# KiCad board PC104+Proto.kicad_pcb (continued)
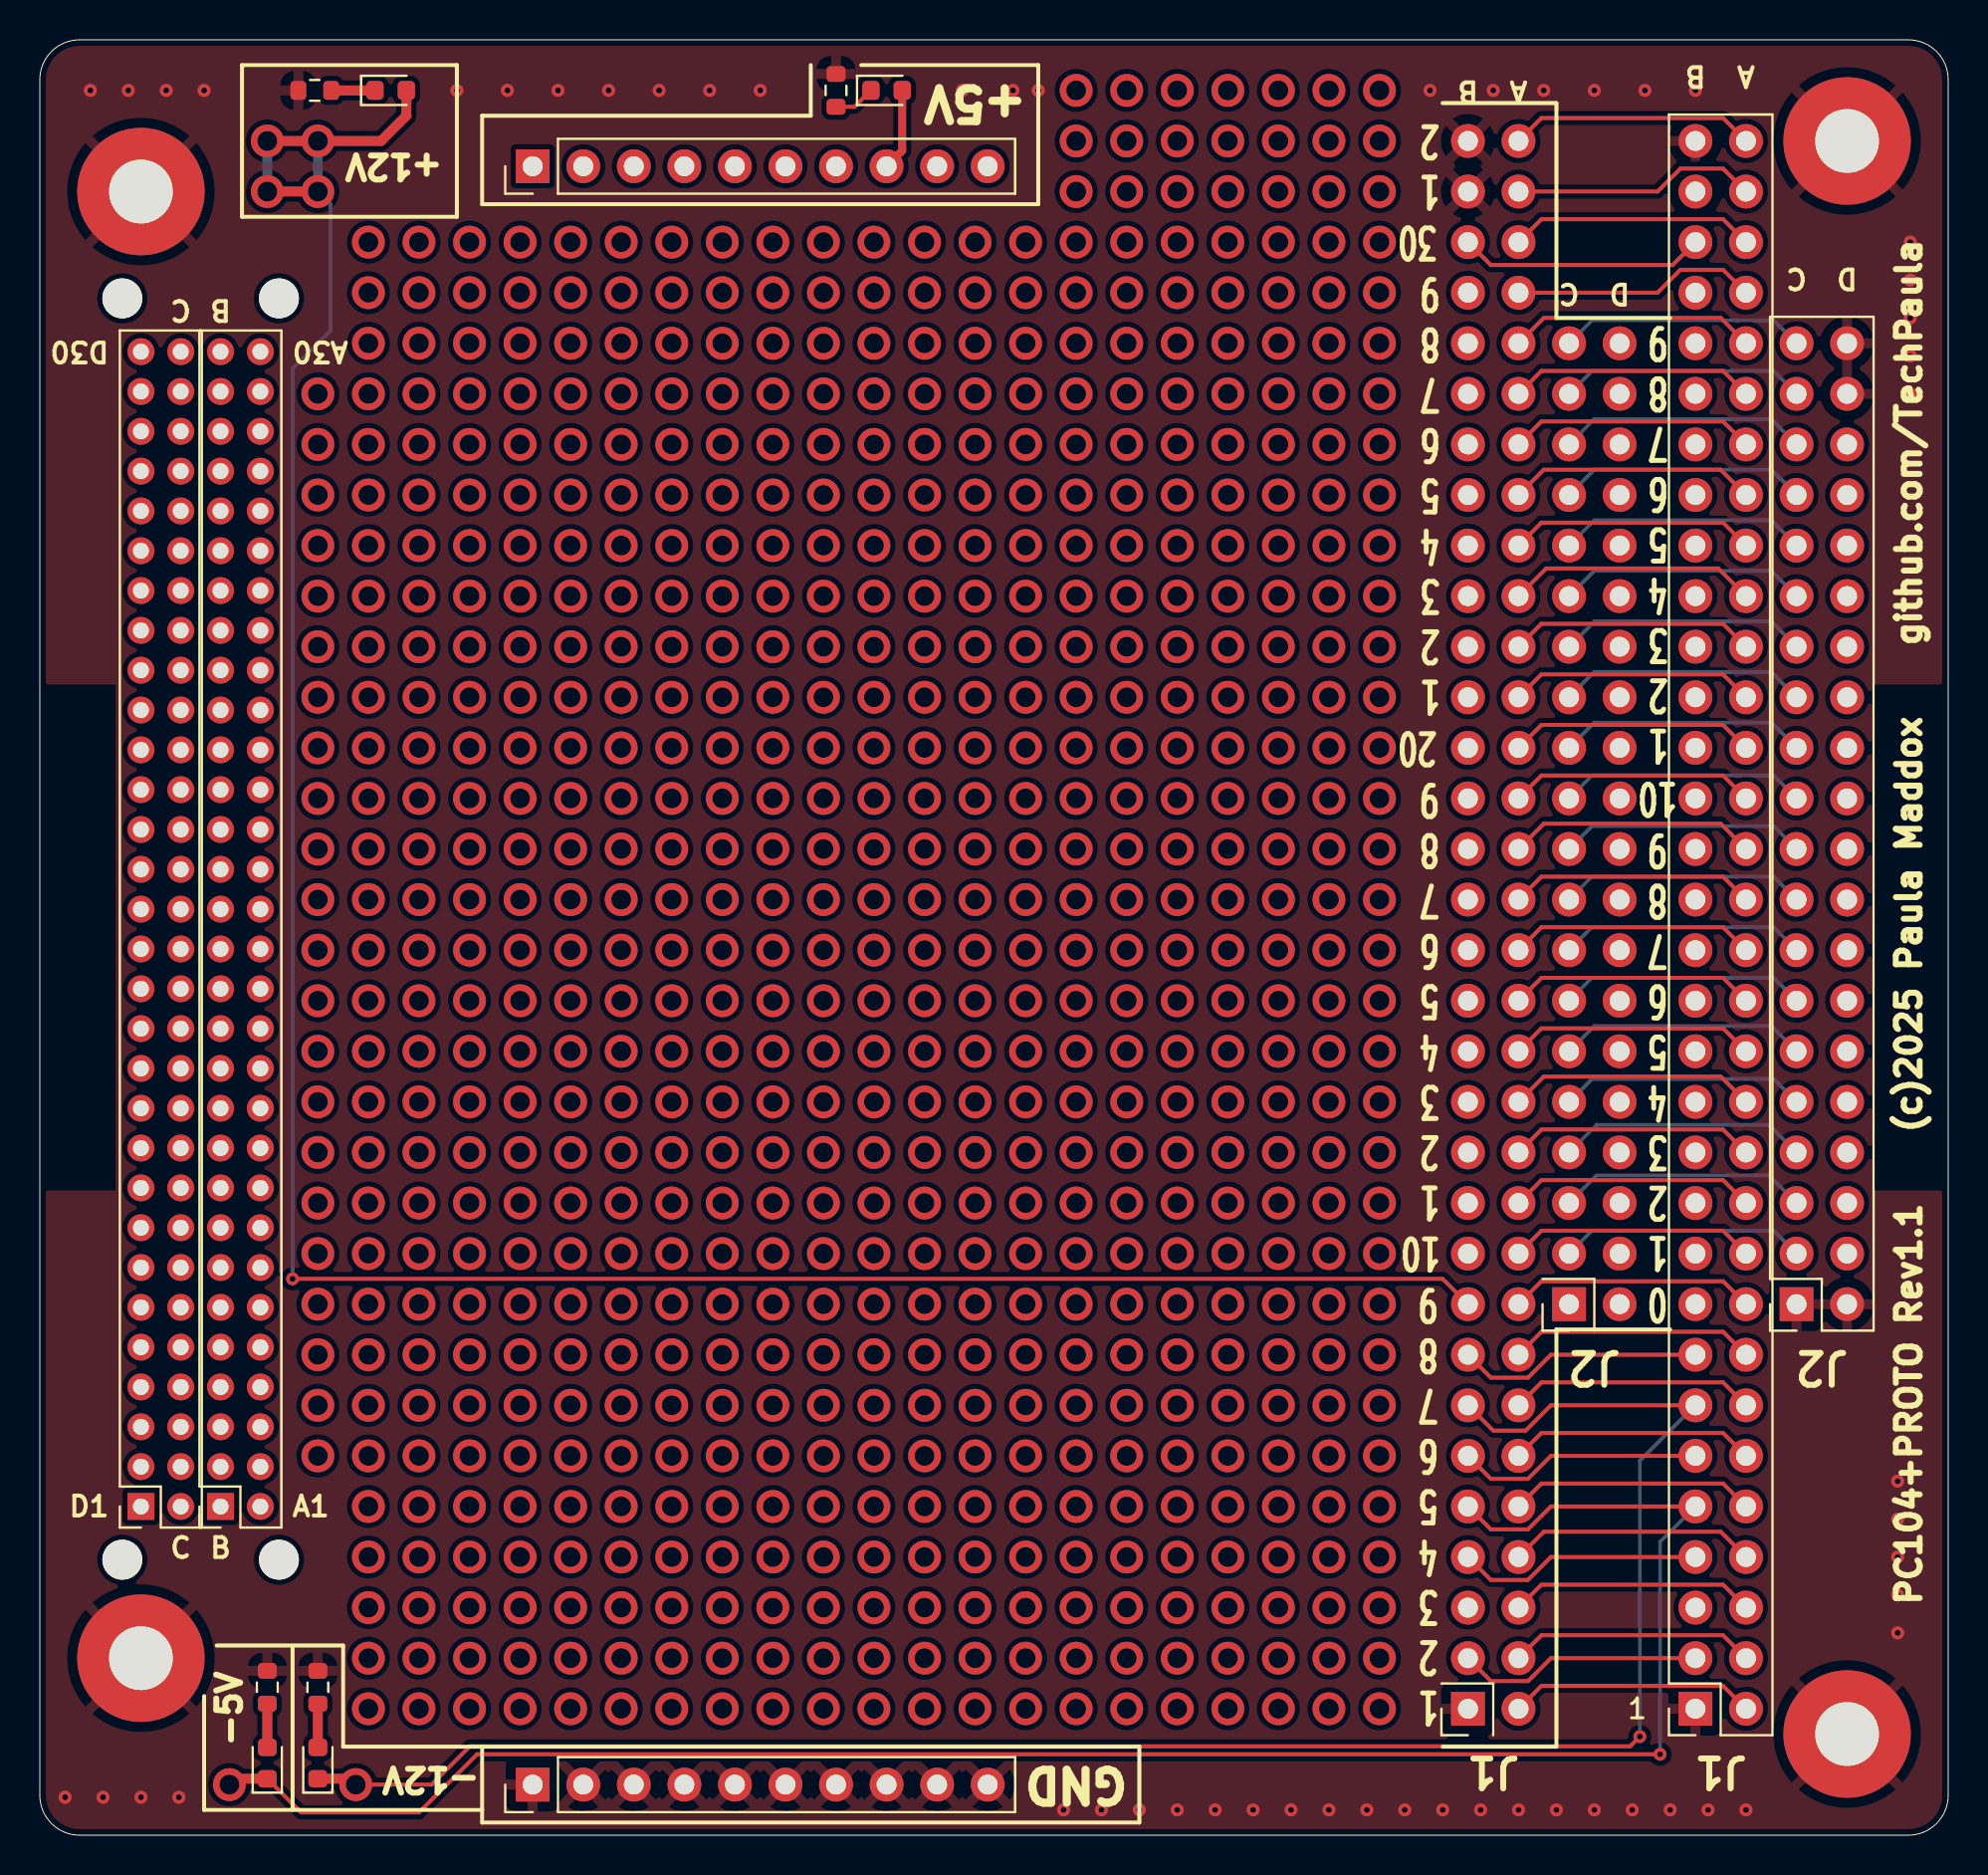
[diagram p0: board, top side]
## Nets
+5V: D1.2 J1.5 J1.57 J2.34 J3.5 J3.57 J5.34 POWER1.1 POWER1.2 POWER1.3 POWER1.4 POWER1.5 POWER1.6 POWER1.7 POWER1.8 POWER1.9 POWER1.10
+12V: D2.2 J1.17 J3.17
-5V: D3.1 J1.9 J3.9
-12V: D4.1 J1.13 J3.13
GND: H3.1 H4.1 H5.1 H6.1 J1.1 J1.61 J1.63 J2.1 J2.2 J2.38 J2.40 J3.1 J3.61 J3.63 J4.1 J4.2 J4.3 J4.4 J4.5 J4.6 J4.7 J4.8 J4.9 J4.10 J5.1 J5.2 J5.38 J5.40 R1.2 R2.2 R3.2 R4.2
Net-(D1-K): D1.1 R1.1
Net-(D2-K): D2.1 R2.1
Net-(D3-A): D3.2 R3.1
Net-(D4-A): D4.2 R4.1
Net-(J1-Pin_2): J1.2 J3.2
Net-(J1-Pin_3): J1.3 J3.3
Net-(J1-Pin_4): J1.4 J3.4
Net-(J1-Pin_6): J1.6 J3.6
Net-(J1-Pin_7): J1.7 J3.7
Net-(J1-Pin_8): J1.8 J3.8
Net-(J1-Pin_10): J1.10 J3.10
Net-(J1-Pin_11): J1.11 J3.11
Net-(J1-Pin_12): J1.12 J3.12
Net-(J1-Pin_14): J1.14 J3.14
Net-(J1-Pin_15): J1.15 J3.15
Net-(J1-Pin_16): J1.16 J3.16
Net-(J1-Pin_18): J1.18 J3.18
Net-(J1-Pin_19): J1.19 J3.19
Net-(J1-Pin_20): J1.20 J3.20
Net-(J1-Pin_21): J1.21 J3.21
Net-(J1-Pin_22): J1.22 J3.22
Net-(J1-Pin_23): J1.23 J3.23
Net-(J1-Pin_24): J1.24 J3.24
Net-(J1-Pin_25): J1.25 J3.25
Net-(J1-Pin_26): J1.26 J3.26
Net-(J1-Pin_27): J1.27 J3.27
Net-(J1-Pin_28): J1.28 J3.28
Net-(J1-Pin_29): J1.29 J3.29
Net-(J1-Pin_30): J1.30 J3.30
Net-(J1-Pin_31): J1.31 J3.31
Net-(J1-Pin_32): J1.32 J3.32
Net-(J1-Pin_33): J1.33 J3.33
Net-(J1-Pin_34): J1.34 J3.34
Net-(J1-Pin_35): J1.35 J3.35
Net-(J1-Pin_36): J1.36 J3.36
Net-(J1-Pin_37): J1.37 J3.37
Net-(J1-Pin_38): J1.38 J3.38
Net-(J1-Pin_39): J1.39 J3.39
Net-(J1-Pin_40): J1.40 J3.40
Net-(J1-Pin_41): J1.41 J3.41
Net-(J1-Pin_42): J1.42 J3.42
Net-(J1-Pin_43): J1.43 J3.43
Net-(J1-Pin_44): J1.44 J3.44
Net-(J1-Pin_45): J1.45 J3.45
Net-(J1-Pin_46): J1.46 J3.46
Net-(J1-Pin_47): J1.47 J3.47
Net-(J1-Pin_48): J1.48 J3.48
Net-(J1-Pin_49): J1.49 J3.49
Net-(J1-Pin_50): J1.50 J3.50
Net-(J1-Pin_51): J1.51 J3.51
Net-(J1-Pin_52): J1.52 J3.52
Net-(J1-Pin_53): J1.53 J3.53
Net-(J1-Pin_54): J1.54 J3.54
Net-(J1-Pin_55): J1.55 J3.55
Net-(J1-Pin_56): J1.56 J3.56
Net-(J1-Pin_58): J1.58 J3.58
Net-(J1-Pin_59): J1.59 J3.59
Net-(J1-Pin_60): J1.60 J3.60
Net-(J1-Pin_62): J1.62 J3.62
Net-(J1-Pin_64): J1.64 J3.64
Net-(J2-Pin_3): J2.3 J5.3
Net-(J2-Pin_4): J2.4 J5.4
Net-(J2-Pin_5): J2.5 J5.5
Net-(J2-Pin_6): J2.6 J5.6
Net-(J2-Pin_7): J2.7 J5.7
Net-(J2-Pin_8): J2.8 J5.8
Net-(J2-Pin_9): J2.9 J5.9
Net-(J2-Pin_10): J2.10 J5.10
Net-(J2-Pin_11): J2.11 J5.11
Net-(J2-Pin_12): J2.12 J5.12
Net-(J2-Pin_13): J2.13 J5.13
Net-(J2-Pin_14): J2.14 J5.14
Net-(J2-Pin_15): J2.15 J5.15
Net-(J2-Pin_16): J2.16 J5.16
Net-(J2-Pin_17): J2.17 J5.17
Net-(J2-Pin_18): J2.18 J5.18
Net-(J2-Pin_19): J2.19 J5.19
Net-(J2-Pin_20): J2.20 J5.20
Net-(J2-Pin_21): J2.21 J5.21
Net-(J2-Pin_22): J2.22 J5.22
Net-(J2-Pin_23): J2.23 J5.23
Net-(J2-Pin_24): J2.24 J5.24
Net-(J2-Pin_25): J2.25 J5.25
Net-(J2-Pin_26): J2.26 J5.26
Net-(J2-Pin_27): J2.27 J5.27
Net-(J2-Pin_28): J2.28 J5.28
Net-(J2-Pin_29): J2.29 J5.29
Net-(J2-Pin_30): J2.30 J5.30
Net-(J2-Pin_31): J2.31 J5.31
Net-(J2-Pin_32): J2.32 J5.32
Net-(J2-Pin_33): J2.33 J5.33
Net-(J2-Pin_35): J2.35 J5.35
Net-(J2-Pin_36): J2.36 J5.36
Net-(J2-Pin_37): J2.37 J5.37
Net-(J2-Pin_39): J2.39 J5.39

Pads without a net: J3A1 a1 a2 a3 a4 a5 a6 a7 a8 a9 a10 a11 a12 a13 a14 a15 a16 a17 a18 a19 a20 a21 a22 a23 a24 a25 a26 a27 a28 a29 a30 b1 b2 b3 b4 b5 b6 b7 b8 b9 b10 b11 b12 b13 b14 b15 b16 b17 b18 b19 b20 b21 b22 b23 b24 b25 b26 b27 b28 b29 b30; J3C1 c1 c2 c3 c4 c5 c6 c7 c8 c9 c10 c11 c12 c13 c14 c15 c16 c17 c18 c19 c20 c21 c22 c23 c24 c25 c26 c27 c28 c29 c30 d1 d2 d3 d4 d5 d6 d7 d8 d9 d10 d11 d12 d13 d14 d15 d16 d17 d18 d19 d20 d21 d22 d23 d24 d25 d26 d27 d28 d29 d30

## Via types
v1: diameter 1.65, hole 1, Top to Bottom, 679 vias
v2: diameter 0.65, hole 0.3, Top to Bottom, 56 vias

## Routing (per net, layer and track width the routed paths; a pad name or vN(x,y) marks a point on that pad's centre or on a via; arc(x,y) is an arc through that point)
+5V: length 4.1
  Top w0.4: D1.2 43.33,84.61 POWER1.8
+12V: length 144
  Top w0.2: v2(12.7,27.94) 70.48,27.94 J3.17
  Top w0.5: v1(11.43,85.09) v1(13.97,85.09) 17.14,85.09 18.41,86.36 D2.2 ; v1(13.97,82.55) v1(11.43,82.55)
  In2.Cu w0.2: J1.17 82.03,25.52 72.91,25.52 J3.17
  Bottom w0.2: v2(12.7,27.94) 12.7,73.66 14.6,75.56 14.6,81.91 v1(13.97,82.55)
  Bottom w0.5: v1(13.97,85.09) v1(13.97,82.55) ; v1(11.43,85.09) v1(11.43,82.55)
-5V: length 99.5
  Top w0.2: D3.1 13.12,1.14 19.05,1.14 21.97,4.06 v2(81.41,4.06) ; J3.9 72.91,15.36 74.77,15.36 75.92,16.51 J1.9
  Top w0.5: v1(9.52,2.54) 9.82,2.83 D3.1
  Bottom w0.2: J1.9 81.41,14.73 v2(81.41,4.06)
-12V: length 97.8
  Top w0.2: J1.13 75.92,21.59 74.65,20.32 73.02,20.32 J3.13 ; v2(80.39,4.95) 79.9,4.46 21.61,4.46 19.68,2.54 v1(15.88,2.54)
  Top w0.5: D4.1 15.58,2.83 v1(15.88,2.54)
  Bottom w0.2: v2(80.39,4.95) 80.39,18.8 J1.13
GND: length 2.5
  In1.Cu w0.4: J5.38 J5.40
  vias: v2(1.27,1.9) v2(2.54,87.63) v2(3.17,1.9) v2(4.44,87.63) v2(5.08,1.9) v2(6.35,87.63) v2(6.98,1.9) v2(8.25,87.63) v2(20.95,87.63) v2(23.49,87.63) v2(26.03,87.63) v2(28.57,87.63) v2(31.11,87.63) v2(33.65,87.63) v2(36.2,87.63) v2(46.36,87.63) v2(48.89,87.63) v2(50.17,87.63) v2(51.43,1.27) v2(53.34,1.27) v2(55.24,1.27) v2(57.15,1.27) v2(59.05,1.27) v2(60.96,1.27) v2(62.86,1.27) v2(64.77,1.27) v2(66.67,1.27) v2(68.58,1.27) v2(69.85,87.63) v2(70.48,1.27) v2(72.39,1.27) v2(73.02,87.63) v2(74.3,1.27) v2(75.56,87.63) v2(76.2,1.27) v2(78.11,87.63) v2(78.11,1.27) v2(80.01,1.27) v2(80.64,87.63) v2(81.92,1.27) v2(83.18,87.63) v2(83.82,1.27) v2(85.73,1.27) v2(93.34,17.78) v2(93.34,15.87) v2(93.34,13.97) v2(93.34,12.06) v2(93.34,10.16) v2(93.98,80.01) v2(93.98,78.1) v2(93.98,76.2) v2(93.98,74.29) v2(93.98,72.39)
(no net):
  vias: v1(13.97,72.39) v1(13.97,69.85) v1(13.97,67.31) v1(13.97,64.77) v1(13.97,62.23) v1(13.97,59.69) v1(13.97,57.15) v1(13.97,54.61) v1(13.97,52.07) v1(13.97,49.53) v1(13.97,46.99) v1(13.97,44.45) v1(13.97,41.91) v1(13.97,39.37) v1(13.97,36.83) v1(13.97,34.29) v1(13.97,31.75) v1(13.97,29.21) v1(13.97,26.67) v1(13.97,24.13) v1(13.97,21.59) v1(13.97,19.05) v1(16.51,80.01) v1(16.51,77.47) v1(16.51,74.93) v1(16.51,72.39) v1(16.51,69.85) v1(16.51,67.31) v1(16.51,64.77) v1(16.51,62.23) v1(16.51,59.69) v1(16.51,57.15) v1(16.51,54.61) v1(16.51,52.07) v1(16.51,49.53) v1(16.51,46.99) v1(16.51,44.45) v1(16.51,41.91) v1(16.51,39.37) v1(16.51,36.83) v1(16.51,34.29) v1(16.51,31.75) v1(16.51,29.21) v1(16.51,26.67) v1(16.51,24.13) v1(16.51,21.59) v1(16.51,19.05) v1(16.51,16.51) v1(16.51,13.97) v1(16.51,11.43) v1(16.51,8.89) v1(16.51,6.35) v1(19.05,80.01) v1(19.05,77.47) v1(19.05,74.93) v1(19.05,72.39) v1(19.05,69.85) v1(19.05,67.31) v1(19.05,64.77) v1(19.05,62.23) v1(19.05,59.69) v1(19.05,57.15) v1(19.05,54.61) v1(19.05,52.07) v1(19.05,49.53) v1(19.05,46.99) v1(19.05,44.45) v1(19.05,41.91) v1(19.05,39.37) v1(19.05,36.83) v1(19.05,34.29) v1(19.05,31.75) v1(19.05,29.21) v1(19.05,26.67) v1(19.05,24.13) v1(19.05,21.59) v1(19.05,19.05) v1(19.05,16.51) v1(19.05,13.97) v1(19.05,11.43) v1(19.05,8.89) v1(19.05,6.35) v1(21.59,80.01) v1(21.59,77.47) v1(21.59,74.93) v1(21.59,72.39) v1(21.59,69.85) v1(21.59,67.31) v1(21.59,64.77) v1(21.59,62.23) v1(21.59,59.69) v1(21.59,57.15) v1(21.59,54.61) v1(21.59,52.07) v1(21.59,49.53) v1(21.59,46.99) v1(21.59,44.45) v1(21.59,41.91) v1(21.59,39.37) v1(21.59,36.83) v1(21.59,34.29) v1(21.59,31.75) v1(21.59,29.21) v1(21.59,26.67) v1(21.59,24.13) v1(21.59,21.59) v1(21.59,19.05) v1(21.59,16.51) v1(21.59,13.97) v1(21.59,11.43) v1(21.59,8.89) v1(21.59,6.35) v1(24.13,80.01) v1(24.13,77.47) v1(24.13,74.93) v1(24.13,72.39) v1(24.13,69.85) v1(24.13,67.31) v1(24.13,64.77) v1(24.13,62.23) v1(24.13,59.69) v1(24.13,57.15) v1(24.13,54.61) v1(24.13,52.07) v1(24.13,49.53) v1(24.13,46.99) v1(24.13,44.45) v1(24.13,41.91) v1(24.13,39.37) v1(24.13,36.83) v1(24.13,34.29) v1(24.13,31.75) v1(24.13,29.21) v1(24.13,26.67) v1(24.13,24.13) v1(24.13,21.59) v1(24.13,19.05) v1(24.13,16.51) v1(24.13,13.97) v1(24.13,11.43) v1(24.13,8.89) v1(24.13,6.35) v1(26.67,80.01) v1(26.67,77.47) v1(26.67,74.93) v1(26.67,72.39) v1(26.67,69.85) v1(26.67,67.31) v1(26.67,64.77) v1(26.67,62.23) v1(26.67,59.69) v1(26.67,57.15) v1(26.67,54.61) v1(26.67,52.07) v1(26.67,49.53) v1(26.67,46.99) v1(26.67,44.45) v1(26.67,41.91) v1(26.67,39.37) v1(26.67,36.83) v1(26.67,34.29) v1(26.67,31.75) v1(26.67,29.21) v1(26.67,26.67) v1(26.67,24.13) v1(26.67,21.59) v1(26.67,19.05) v1(26.67,16.51) v1(26.67,13.97) v1(26.67,11.43) v1(26.67,8.89) v1(26.67,6.35) v1(29.21,80.01) v1(29.21,77.47) v1(29.21,74.93) v1(29.21,72.39) v1(29.21,69.85) v1(29.21,67.31) v1(29.21,64.77) v1(29.21,62.23) v1(29.21,59.69) v1(29.21,57.15) v1(29.21,54.61) v1(29.21,52.07) v1(29.21,49.53) v1(29.21,46.99) v1(29.21,44.45) v1(29.21,41.91) v1(29.21,39.37) v1(29.21,36.83) v1(29.21,34.29) v1(29.21,31.75) v1(29.21,29.21) v1(29.21,26.67) v1(29.21,24.13) v1(29.21,21.59) v1(29.21,19.05) v1(29.21,16.51) v1(29.21,13.97) v1(29.21,11.43) v1(29.21,8.89) v1(29.21,6.35) v1(31.75,80.01) v1(31.75,77.47) v1(31.75,74.93) v1(31.75,72.39) v1(31.75,69.85) v1(31.75,67.31) v1(31.75,64.77) v1(31.75,62.23) v1(31.75,59.69) v1(31.75,57.15) v1(31.75,54.61) v1(31.75,52.07) v1(31.75,49.53) v1(31.75,46.99) v1(31.75,44.45) v1(31.75,41.91) v1(31.75,39.37) v1(31.75,36.83) v1(31.75,34.29) v1(31.75,31.75) v1(31.75,29.21) v1(31.75,26.67) v1(31.75,24.13) v1(31.75,21.59) v1(31.75,19.05) v1(31.75,16.51) v1(31.75,13.97) v1(31.75,11.43) v1(31.75,8.89) v1(31.75,6.35) v1(34.29,80.01) v1(34.29,77.47) v1(34.29,74.93) v1(34.29,72.39) v1(34.29,69.85) v1(34.29,67.31) v1(34.29,64.77) v1(34.29,62.23) v1(34.29,59.69) v1(34.29,57.15) v1(34.29,54.61) v1(34.29,52.07) v1(34.29,49.53) v1(34.29,46.99) v1(34.29,44.45) v1(34.29,41.91) v1(34.29,39.37) v1(34.29,36.83) v1(34.29,34.29) v1(34.29,31.75) v1(34.29,29.21) v1(34.29,26.67) v1(34.29,24.13) v1(34.29,21.59) v1(34.29,19.05) v1(34.29,16.51) v1(34.29,13.97) v1(34.29,11.43) v1(34.29,8.89) v1(34.29,6.35) v1(36.83,80.01) v1(36.83,77.47) v1(36.83,74.93) v1(36.83,72.39) v1(36.83,69.85) v1(36.83,67.31) v1(36.83,64.77) v1(36.83,62.23) v1(36.83,59.69) v1(36.83,57.15) v1(36.83,54.61) v1(36.83,52.07) v1(36.83,49.53) v1(36.83,46.99) v1(36.83,44.45) v1(36.83,41.91) v1(36.83,39.37) v1(36.83,36.83) v1(36.83,34.29) v1(36.83,31.75) v1(36.83,29.21) v1(36.83,26.67) v1(36.83,24.13) v1(36.83,21.59) v1(36.83,19.05) v1(36.83,16.51) v1(36.83,13.97) v1(36.83,11.43) v1(36.83,8.89) v1(36.83,6.35) v1(39.37,80.01) v1(39.37,77.47) v1(39.37,74.93) v1(39.37,72.39) v1(39.37,69.85) v1(39.37,67.31) v1(39.37,64.77) v1(39.37,62.23) v1(39.37,59.69) v1(39.37,57.15) v1(39.37,54.61) v1(39.37,52.07) v1(39.37,49.53) v1(39.37,46.99) v1(39.37,44.45) v1(39.37,41.91) v1(39.37,39.37) v1(39.37,36.83) v1(39.37,34.29) v1(39.37,31.75) v1(39.37,29.21) v1(39.37,26.67) v1(39.37,24.13) v1(39.37,21.59) v1(39.37,19.05) v1(39.37,16.51) v1(39.37,13.97) v1(39.37,11.43) v1(39.37,8.89) v1(39.37,6.35) v1(41.91,80.01) v1(41.91,77.47) v1(41.91,74.93) v1(41.91,72.39) v1(41.91,69.85) v1(41.91,67.31) v1(41.91,64.77) v1(41.91,62.23) v1(41.91,59.69) v1(41.91,57.15) v1(41.91,54.61) v1(41.91,52.07) v1(41.91,49.53) v1(41.91,46.99) v1(41.91,44.45) v1(41.91,41.91) v1(41.91,39.37) v1(41.91,36.83) v1(41.91,34.29) v1(41.91,31.75) v1(41.91,29.21) v1(41.91,26.67) v1(41.91,24.13) v1(41.91,21.59) v1(41.91,19.05) v1(41.91,16.51) v1(41.91,13.97) v1(41.91,11.43) v1(41.91,8.89) v1(41.91,6.35) v1(44.45,80.01) v1(44.45,77.47) v1(44.45,74.93) v1(44.45,72.39) v1(44.45,69.85) v1(44.45,67.31) v1(44.45,64.77) v1(44.45,62.23) v1(44.45,59.69) v1(44.45,57.15) v1(44.45,54.61) v1(44.45,52.07) v1(44.45,49.53) v1(44.45,46.99) v1(44.45,44.45) v1(44.45,41.91) v1(44.45,39.37) v1(44.45,36.83) v1(44.45,34.29) v1(44.45,31.75) v1(44.45,29.21) v1(44.45,26.67) v1(44.45,24.13) v1(44.45,21.59) v1(44.45,19.05) v1(44.45,16.51) v1(44.45,13.97) v1(44.45,11.43) v1(44.45,8.89) v1(44.45,6.35) v1(46.99,80.01) v1(46.99,77.47) v1(46.99,74.93) v1(46.99,72.39) v1(46.99,69.85) v1(46.99,67.31) v1(46.99,64.77) v1(46.99,62.23) v1(46.99,59.69) v1(46.99,57.15) v1(46.99,54.61) v1(46.99,52.07) v1(46.99,49.53) v1(46.99,46.99) v1(46.99,44.45) v1(46.99,41.91) v1(46.99,39.37) v1(46.99,36.83) v1(46.99,34.29) v1(46.99,31.75) v1(46.99,29.21) v1(46.99,26.67) v1(46.99,24.13) v1(46.99,21.59) v1(46.99,19.05) v1(46.99,16.51) v1(46.99,13.97) v1(46.99,11.43) v1(46.99,8.89) v1(46.99,6.35) v1(49.53,80.01) v1(49.53,77.47) v1(49.53,74.93) v1(49.53,72.39) v1(49.53,69.85) v1(49.53,67.31) v1(49.53,64.77) v1(49.53,62.23) v1(49.53,59.69) v1(49.53,57.15) v1(49.53,54.61) v1(49.53,52.07) v1(49.53,49.53) v1(49.53,46.99) v1(49.53,44.45) v1(49.53,41.91) v1(49.53,39.37) v1(49.53,36.83) v1(49.53,34.29) v1(49.53,31.75) v1(49.53,29.21) v1(49.53,26.67) v1(49.53,24.13) v1(49.53,21.59) v1(49.53,19.05) v1(49.53,16.51) v1(49.53,13.97) v1(49.53,11.43) v1(49.53,8.89) v1(49.53,6.35) v1(52.07,87.63) v1(52.07,85.09) v1(52.07,82.55) v1(52.07,80.01) v1(52.07,77.47) v1(52.07,74.93) v1(52.07,72.39) v1(52.07,69.85) v1(52.07,67.31) v1(52.07,64.77) v1(52.07,62.23) v1(52.07,59.69) v1(52.07,57.15) v1(52.07,54.61) v1(52.07,52.07) v1(52.07,49.53) v1(52.07,46.99) v1(52.07,44.45) v1(52.07,41.91) v1(52.07,39.37) v1(52.07,36.83) v1(52.07,34.29) v1(52.07,31.75) v1(52.07,29.21) v1(52.07,26.67) v1(52.07,24.13) v1(52.07,21.59) v1(52.07,19.05) v1(52.07,16.51) v1(52.07,13.97) v1(52.07,11.43) v1(52.07,8.89) v1(52.07,6.35) v1(54.61,87.63) v1(54.61,85.09) v1(54.61,82.55) v1(54.61,80.01) v1(54.61,77.47) v1(54.61,74.93) v1(54.61,72.39) v1(54.61,69.85) v1(54.61,67.31) v1(54.61,64.77) v1(54.61,62.23) v1(54.61,59.69) v1(54.61,57.15) v1(54.61,54.61) v1(54.61,52.07) v1(54.61,49.53) v1(54.61,46.99) v1(54.61,44.45) v1(54.61,41.91) v1(54.61,39.37) v1(54.61,36.83) v1(54.61,34.29) v1(54.61,31.75) v1(54.61,29.21) v1(54.61,26.67) v1(54.61,24.13) v1(54.61,21.59) v1(54.61,19.05) v1(54.61,16.51) v1(54.61,13.97) v1(54.61,11.43) v1(54.61,8.89) v1(54.61,6.35) v1(57.15,87.63) v1(57.15,85.09) v1(57.15,82.55) v1(57.15,80.01) v1(57.15,77.47) v1(57.15,74.93) v1(57.15,72.39) v1(57.15,69.85) v1(57.15,67.31) v1(57.15,64.77) v1(57.15,62.23) v1(57.15,59.69) v1(57.15,57.15) v1(57.15,54.61) v1(57.15,52.07) v1(57.15,49.53) v1(57.15,46.99) v1(57.15,44.45) v1(57.15,41.91) v1(57.15,39.37) v1(57.15,36.83) v1(57.15,34.29) v1(57.15,31.75) v1(57.15,29.21) v1(57.15,26.67) v1(57.15,24.13) v1(57.15,21.59) v1(57.15,19.05) v1(57.15,16.51) v1(57.15,13.97) v1(57.15,11.43) v1(57.15,8.89) v1(57.15,6.35) v1(59.69,87.63) v1(59.69,85.09) v1(59.69,82.55) v1(59.69,80.01) v1(59.69,77.47) v1(59.69,74.93) v1(59.69,72.39) v1(59.69,69.85) v1(59.69,67.31) v1(59.69,64.77) v1(59.69,62.23) v1(59.69,59.69) v1(59.69,57.15) v1(59.69,54.61) v1(59.69,52.07) v1(59.69,49.53) v1(59.69,46.99) v1(59.69,44.45) v1(59.69,41.91) v1(59.69,39.37) v1(59.69,36.83) v1(59.69,34.29) v1(59.69,31.75) v1(59.69,29.21) v1(59.69,26.67) v1(59.69,24.13) v1(59.69,21.59) v1(59.69,19.05) v1(59.69,16.51) v1(59.69,13.97) v1(59.69,11.43) v1(59.69,8.89) v1(59.69,6.35) v1(62.23,87.63) v1(62.23,85.09) v1(62.23,82.55) v1(62.23,80.01) v1(62.23,77.47) v1(62.23,74.93) v1(62.23,72.39) v1(62.23,69.85) v1(62.23,67.31) v1(62.23,64.77) v1(62.23,62.23) v1(62.23,59.69) v1(62.23,57.15) v1(62.23,54.61) v1(62.23,52.07) v1(62.23,49.53) v1(62.23,46.99) v1(62.23,44.45) v1(62.23,41.91) v1(62.23,39.37) v1(62.23,36.83) v1(62.23,34.29) v1(62.23,31.75) v1(62.23,29.21) v1(62.23,26.67) v1(62.23,24.13) v1(62.23,21.59) v1(62.23,19.05) v1(62.23,16.51) v1(62.23,13.97) v1(62.23,11.43) v1(62.23,8.89) v1(62.23,6.35) v1(64.77,87.63) v1(64.77,85.09) v1(64.77,82.55) v1(64.77,80.01) v1(64.77,77.47) v1(64.77,74.93) v1(64.77,72.39) v1(64.77,69.85) v1(64.77,67.31) v1(64.77,64.77) v1(64.77,62.23) v1(64.77,59.69) v1(64.77,57.15) v1(64.77,54.61) v1(64.77,52.07) v1(64.77,49.53) v1(64.77,46.99) v1(64.77,44.45) v1(64.77,41.91) v1(64.77,39.37) v1(64.77,36.83) v1(64.77,34.29) v1(64.77,31.75) v1(64.77,29.21) v1(64.77,26.67) v1(64.77,24.13) v1(64.77,21.59) v1(64.77,19.05) v1(64.77,16.51) v1(64.77,13.97) v1(64.77,11.43) v1(64.77,8.89) v1(64.77,6.35) v1(67.31,87.63) v1(67.31,85.09) v1(67.31,82.55) v1(67.31,80.01) v1(67.31,77.47) v1(67.31,74.93) v1(67.31,72.39) v1(67.31,69.85) v1(67.31,67.31) v1(67.31,64.77) v1(67.31,62.23) v1(67.31,59.69) v1(67.31,57.15) v1(67.31,54.61) v1(67.31,52.07) v1(67.31,49.53) v1(67.31,46.99) v1(67.31,44.45) v1(67.31,41.91) v1(67.31,39.37) v1(67.31,36.83) v1(67.31,34.29) v1(67.31,31.75) v1(67.31,29.21) v1(67.31,26.67) v1(67.31,24.13) v1(67.31,21.59) v1(67.31,19.05) v1(67.31,16.51) v1(67.31,13.97) v1(67.31,11.43) v1(67.31,8.89) v1(67.31,6.35)
Net-(D1-K): length 2.1
  Top w0.2: R1.1 40.93,86.8 D1.1
Net-(D2-K): length 2.2
  Top w0.5: 16.84,87.63 R2.1
Net-(D3-A): length 2.2
  Top w0.5: R3.1 D3.2
Net-(D4-A): length 2.2
  Top w0.5: R4.1 D4.2
Net-(J1-Pin_2): length 12.4
  Top w0.2: J3.2 75.45,7.5 84.57,7.5 J1.2
Net-(J1-Pin_3): length 12.4
  Top w0.2: J1.3 75.92,8.89 74.77,7.74 72.91,7.74 J3.3
Net-(J1-Pin_4): length 12.4
  Top w0.2: J1.4 84.57,10.04 75.45,10.04 J3.4
Net-(J1-Pin_6): length 12.4
  Top w0.2: J1.6 84.57,12.58 75.45,12.58 J3.6
Net-(J1-Pin_7): length 12.4
  Top w0.2: J3.7 72.91,12.82 74.77,12.82 75.92,13.97 J1.7
Net-(J1-Pin_8): length 12.5
  Top w0.2: J3.8 75.56,15.24 84.45,15.24 J1.8
Net-(J1-Pin_10): length 12.4
  Top w0.2: J3.10 75.45,17.66 84.57,17.66 J1.10
Net-(J1-Pin_11): length 12.4
  Top w0.2: J1.11 75.92,19.05 74.77,17.9 72.91,17.9 J3.11
Net-(J1-Pin_12): length 12.4
  Top w0.2: J1.12 84.57,20.2 75.45,20.2 J3.12
Net-(J1-Pin_14): length 12.4
  Top w0.2: J1.14 84.57,22.74 75.45,22.74 J3.14
Net-(J1-Pin_15): length 12.4
  Top w0.2: J1.15 75.92,24.13 74.77,22.98 72.91,22.98 J3.15
Net-(J1-Pin_16): length 12.4
  Top w0.2: J3.16 75.45,25.28 84.57,25.28 J1.16
Net-(J1-Pin_18): length 12.4
  Top w0.2: J1.18 84.57,27.82 75.45,27.82 J3.18
Net-(J1-Pin_19): length 12.4
  In2.Cu w0.2: J3.19 72.91,28.06 82.03,28.06 J1.19
Net-(J1-Pin_20): length 12.4
  Top w0.2: J1.20 84.57,30.36 75.45,30.36 J3.20
Net-(J1-Pin_21): length 12.4
  In2.Cu w0.2: J3.21 72.91,30.6 82.03,30.6 J1.21
Net-(J1-Pin_22): length 12.4
  Top w0.2: J3.22 75.45,32.9 84.57,32.9 J1.22
Net-(J1-Pin_23): length 12.4
  In2.Cu w0.2: J3.23 72.91,33.14 82.03,33.14 J1.23
Net-(J1-Pin_24): length 12.4
  Top w0.2: J1.24 84.57,35.44 75.45,35.44 J3.24
Net-(J1-Pin_25): length 12.4
  In2.Cu w0.2: J3.25 72.91,35.68 82.03,35.68 J1.25
Net-(J1-Pin_26): length 12.5
  Top w0.2: J3.26 75.56,38.1 84.45,38.1 J1.26
Net-(J1-Pin_27): length 12.4
  In2.Cu w0.2: J1.27 82.03,38.22 72.91,38.22 J3.27
Net-(J1-Pin_28): length 12.4
  Top w0.2: J1.28 84.57,40.52 75.45,40.52 J3.28
Net-(J1-Pin_29): length 12.4
  In2.Cu w0.2: J3.29 72.91,40.76 82.03,40.76 J1.29
Net-(J1-Pin_30): length 12.4
  Top w0.2: J3.30 75.45,43.06 84.57,43.06 J1.30
Net-(J1-Pin_31): length 12.4
  In2.Cu w0.2: J3.31 72.91,43.3 82.03,43.3 J1.31
Net-(J1-Pin_32): length 12.4
  Top w0.2: J3.32 75.45,45.6 84.57,45.6 J1.32
Net-(J1-Pin_33): length 12.4
  In2.Cu w0.2: J3.33 72.91,45.84 82.03,45.84 J1.33
Net-(J1-Pin_34): length 12.4
  Top w0.2: J3.34 75.45,48.14 84.57,48.14 J1.34
Net-(J1-Pin_35): length 12.4
  In2.Cu w0.2: J1.35 82.03,48.38 72.91,48.38 J3.35
Net-(J1-Pin_36): length 12.5
  Top w0.2: J3.36 75.56,50.8 84.45,50.8 J1.36
Net-(J1-Pin_37): length 12.4
  In2.Cu w0.2: J3.37 72.91,50.92 82.03,50.92 J1.37
Net-(J1-Pin_38): length 12.4
  Top w0.2: J1.38 84.57,53.22 75.45,53.22 J3.38
Net-(J1-Pin_39): length 12.4
  In2.Cu w0.2: J3.39 72.91,53.46 82.03,53.46 J1.39
Net-(J1-Pin_40): length 12.4
  Top w0.2: J3.40 75.45,55.76 84.57,55.76 J1.40
Net-(J1-Pin_41): length 12.4
  In2.Cu w0.2: J3.41 72.91,56 82.03,56 J1.41
Net-(J1-Pin_42): length 12.4
  Top w0.2: J3.42 75.45,58.3 84.57,58.3 J1.42
Net-(J1-Pin_43): length 12.4
  In2.Cu w0.2: J3.43 72.91,58.54 82.03,58.54 J1.43
Net-(J1-Pin_44): length 12.4
  Top w0.2: J1.44 84.57,60.84 75.45,60.84 J3.44
Net-(J1-Pin_45): length 12.4
  In2.Cu w0.2: J3.45 72.91,61.08 82.03,61.08 J1.45
Net-(J1-Pin_46): length 12.6
  Top w0.2: J3.46 75.68,63.62 84.34,63.62 J1.46
Net-(J1-Pin_47): length 12.4
  In2.Cu w0.2: J1.47 82.03,63.62 72.91,63.62 J3.47
Net-(J1-Pin_48): length 12.4
  Top w0.2: J3.48 75.45,65.92 84.57,65.92 J1.48
Net-(J1-Pin_49): length 12.4
  In2.Cu w0.2: J3.49 72.91,66.16 82.03,66.16 J1.49
Net-(J1-Pin_50): length 12.5
  Top w0.2: J1.50 84.45,68.58 75.56,68.58 J3.50
Net-(J1-Pin_51): length 12.4
  In2.Cu w0.2: J1.51 82.03,68.7 72.91,68.7 J3.51
Net-(J1-Pin_52): length 12.4
  Top w0.2: J3.52 75.45,71 84.57,71 J1.52
Net-(J1-Pin_53): length 12.5
  In2.Cu w0.2: J3.53 73.02,71.12 81.92,71.12 J1.53
Net-(J1-Pin_54): length 12.4
  Top w0.2: J1.54 84.57,73.54 75.45,73.54 J3.54
Net-(J1-Pin_55): length 12.4
  In2.Cu w0.2: J1.55 82.03,73.78 72.91,73.78 J3.55
Net-(J1-Pin_56): length 12.5
  Top w0.2: J1.56 84.45,76.2 75.56,76.2 J3.56
Net-(J1-Pin_58): length 12.4
  Top w0.2: J3.58 81.28,77.47 82.43,78.62 84.57,78.62 J1.58
Net-(J1-Pin_59): length 12.4
  Top w0.2: J1.59 82.03,78.86 72.91,78.86 J3.59
Net-(J1-Pin_60): length 12.4
  Top w0.2: J1.60 84.57,81.16 75.45,81.16 J3.60
Net-(J1-Pin_62): length 12.4
  Top w0.2: J3.62 81.28,82.55 82.43,83.7 84.57,83.7 J1.62
Net-(J1-Pin_64): length 12.4
  Top w0.2: J3.64 75.45,86.24 84.57,86.24 J1.64
Net-(J2-Pin_3): length 12.4
  Bottom w0.2: J2.3 87.11,30.36 77.99,30.36 J5.3
Net-(J2-Pin_4): length 12.4
  In2.Cu w0.2: J2.4 89.65,30.36 82.71,30.36 81.56,29.21 J5.4
Net-(J2-Pin_5): length 12.6
  Bottom w0.2: J5.5 78.22,33.14 86.88,33.14 J2.5
Net-(J2-Pin_6): length 12.4
  In2.Cu w0.2: J5.6 81.28,31.75 82.43,32.9 89.65,32.9 J2.6
Net-(J2-Pin_7): length 12.6
  Bottom w0.2: J5.7 78.22,35.68 86.88,35.68 J2.7
Net-(J2-Pin_8): length 12.4
  In2.Cu w0.2: J2.8 89.65,35.44 82.43,35.44 81.28,34.29 J5.8
Net-(J2-Pin_9): length 12.4
  Bottom w0.2: J2.9 87.11,37.98 77.99,37.98 J5.9
Net-(J2-Pin_10): length 12.4
  In2.Cu w0.2: J5.10 81.28,36.83 82.43,37.98 89.65,37.98 J2.10
Net-(J2-Pin_11): length 12.5
  Bottom w0.2: J5.11 78.11,40.64 86.99,40.64 J2.11
Net-(J2-Pin_12): length 12.4
  In2.Cu w0.2: J2.12 89.65,40.52 82.43,40.52 81.28,39.37 J5.12
Net-(J2-Pin_13): length 12.4
  Bottom w0.2: J5.13 77.99,43.06 87.11,43.06 J2.13
Net-(J2-Pin_14): length 12.4
  In2.Cu w0.2: J5.14 81.28,41.91 82.43,43.06 89.65,43.06 J2.14
Net-(J2-Pin_15): length 12.4
  Bottom w0.2: J2.15 87.11,45.6 77.99,45.6 J5.15
Net-(J2-Pin_16): length 12.4
  In2.Cu w0.2: J5.16 81.28,44.45 82.43,45.6 89.65,45.6 J2.16
Net-(J2-Pin_17): length 12.4
  Bottom w0.2: J2.17 87.11,48.14 77.99,48.14 J5.17
Net-(J2-Pin_18): length 12.4
  In2.Cu w0.2: J2.18 89.65,48.14 82.43,48.14 81.28,46.99 J5.18
Net-(J2-Pin_19): length 12.4
  Bottom w0.2: J2.19 87.11,50.68 77.99,50.68 J5.19
Net-(J2-Pin_20): length 12.4
  In2.Cu w0.2: J5.20 81.28,49.53 82.43,50.68 89.65,50.68 J2.20
Net-(J2-Pin_21): length 12.4
  Bottom w0.2: J5.21 77.99,53.22 87.11,53.22 J2.21
Net-(J2-Pin_22): length 12.4
  In2.Cu w0.2: J5.22 81.28,52.07 82.43,53.22 89.65,53.22 J2.22
Net-(J2-Pin_23): length 12.5
  Bottom w0.2: J5.23 78.11,55.88 86.99,55.88 J2.23
Net-(J2-Pin_24): length 12.4
  In2.Cu w0.2: J5.24 81.28,54.61 82.43,55.76 89.65,55.76 J2.24
Net-(J2-Pin_25): length 12.5
  Bottom w0.2: J5.25 78.11,58.42 86.99,58.42 J2.25
Net-(J2-Pin_26): length 12.4
  In2.Cu w0.2: J2.26 89.65,58.3 82.43,58.3 81.28,57.15 J5.26
Net-(J2-Pin_27): length 12.5
  Bottom w0.2: J5.27 78.11,60.96 86.99,60.96 J2.27
Net-(J2-Pin_28): length 12.4
  In2.Cu w0.2: J2.28 89.65,60.84 82.43,60.84 81.28,59.69 J5.28
Net-(J2-Pin_29): length 12.5
  Bottom w0.2: J2.29 86.99,63.5 78.11,63.5 J5.29
Net-(J2-Pin_30): length 12.4
  In2.Cu w0.2: J5.30 81.28,62.23 82.43,63.38 89.65,63.38 J2.30
Net-(J2-Pin_31): length 12.5
  Bottom w0.2: J5.31 78.11,66.04 86.99,66.04 J2.31
Net-(J2-Pin_32): length 12.4
  In2.Cu w0.2: J5.32 81.28,64.77 82.43,65.92 89.65,65.92 J2.32
Net-(J2-Pin_33): length 12.5
  Bottom w0.2: J5.33 78.11,68.58 86.99,68.58 J2.33
Net-(J2-Pin_35): length 12.5
  Bottom w0.2: J2.35 86.99,71.12 78.11,71.12 J5.35
Net-(J2-Pin_36): length 12.4
  In2.Cu w0.2: J5.36 81.28,69.85 82.43,71 89.65,71 J2.36
Net-(J2-Pin_37): length 12.4
  Bottom w0.2: J5.37 77.99,73.54 87.11,73.54 J2.37
Net-(J2-Pin_39): length 12.4
  Bottom w0.2: J2.39 87.11,76.08 77.99,76.08 J5.39

## Copper pours and planes (outline as drawn; the poured copper is in the pictures)
+5V on In1.Cu: -1.91,92.71 97.79,92.71 97.79,1.9 95.89,0 -2.54,0 -2.54,92.07
GND on Top, Bottom, In2.Cu: 0,90.17 95.89,90.17 95.89,0 0,0

## Text on the board
B.Silkscreen: PC104+PROTO Rev1.1    (c)2025 Paula Maddox    github.com/TechPaula
F.Silkscreen: 1 | A1 | C | B | D1 | D30 | A | D | A30 | 30 | 20 | 10 | 1 / 2 / 3 / 4 / 5 / 6 / 7 / 8 / 9 | 1 / 2 | 0 | PC104+PROTO Rev1.1    (c)2025 Paula Maddox    github.com/TechPaula | -5V | +12V | -12V | J1 | J2 | +5V | GND
